# KiCad board AmigaPCI Mainboard.kicad_pcb (continued)
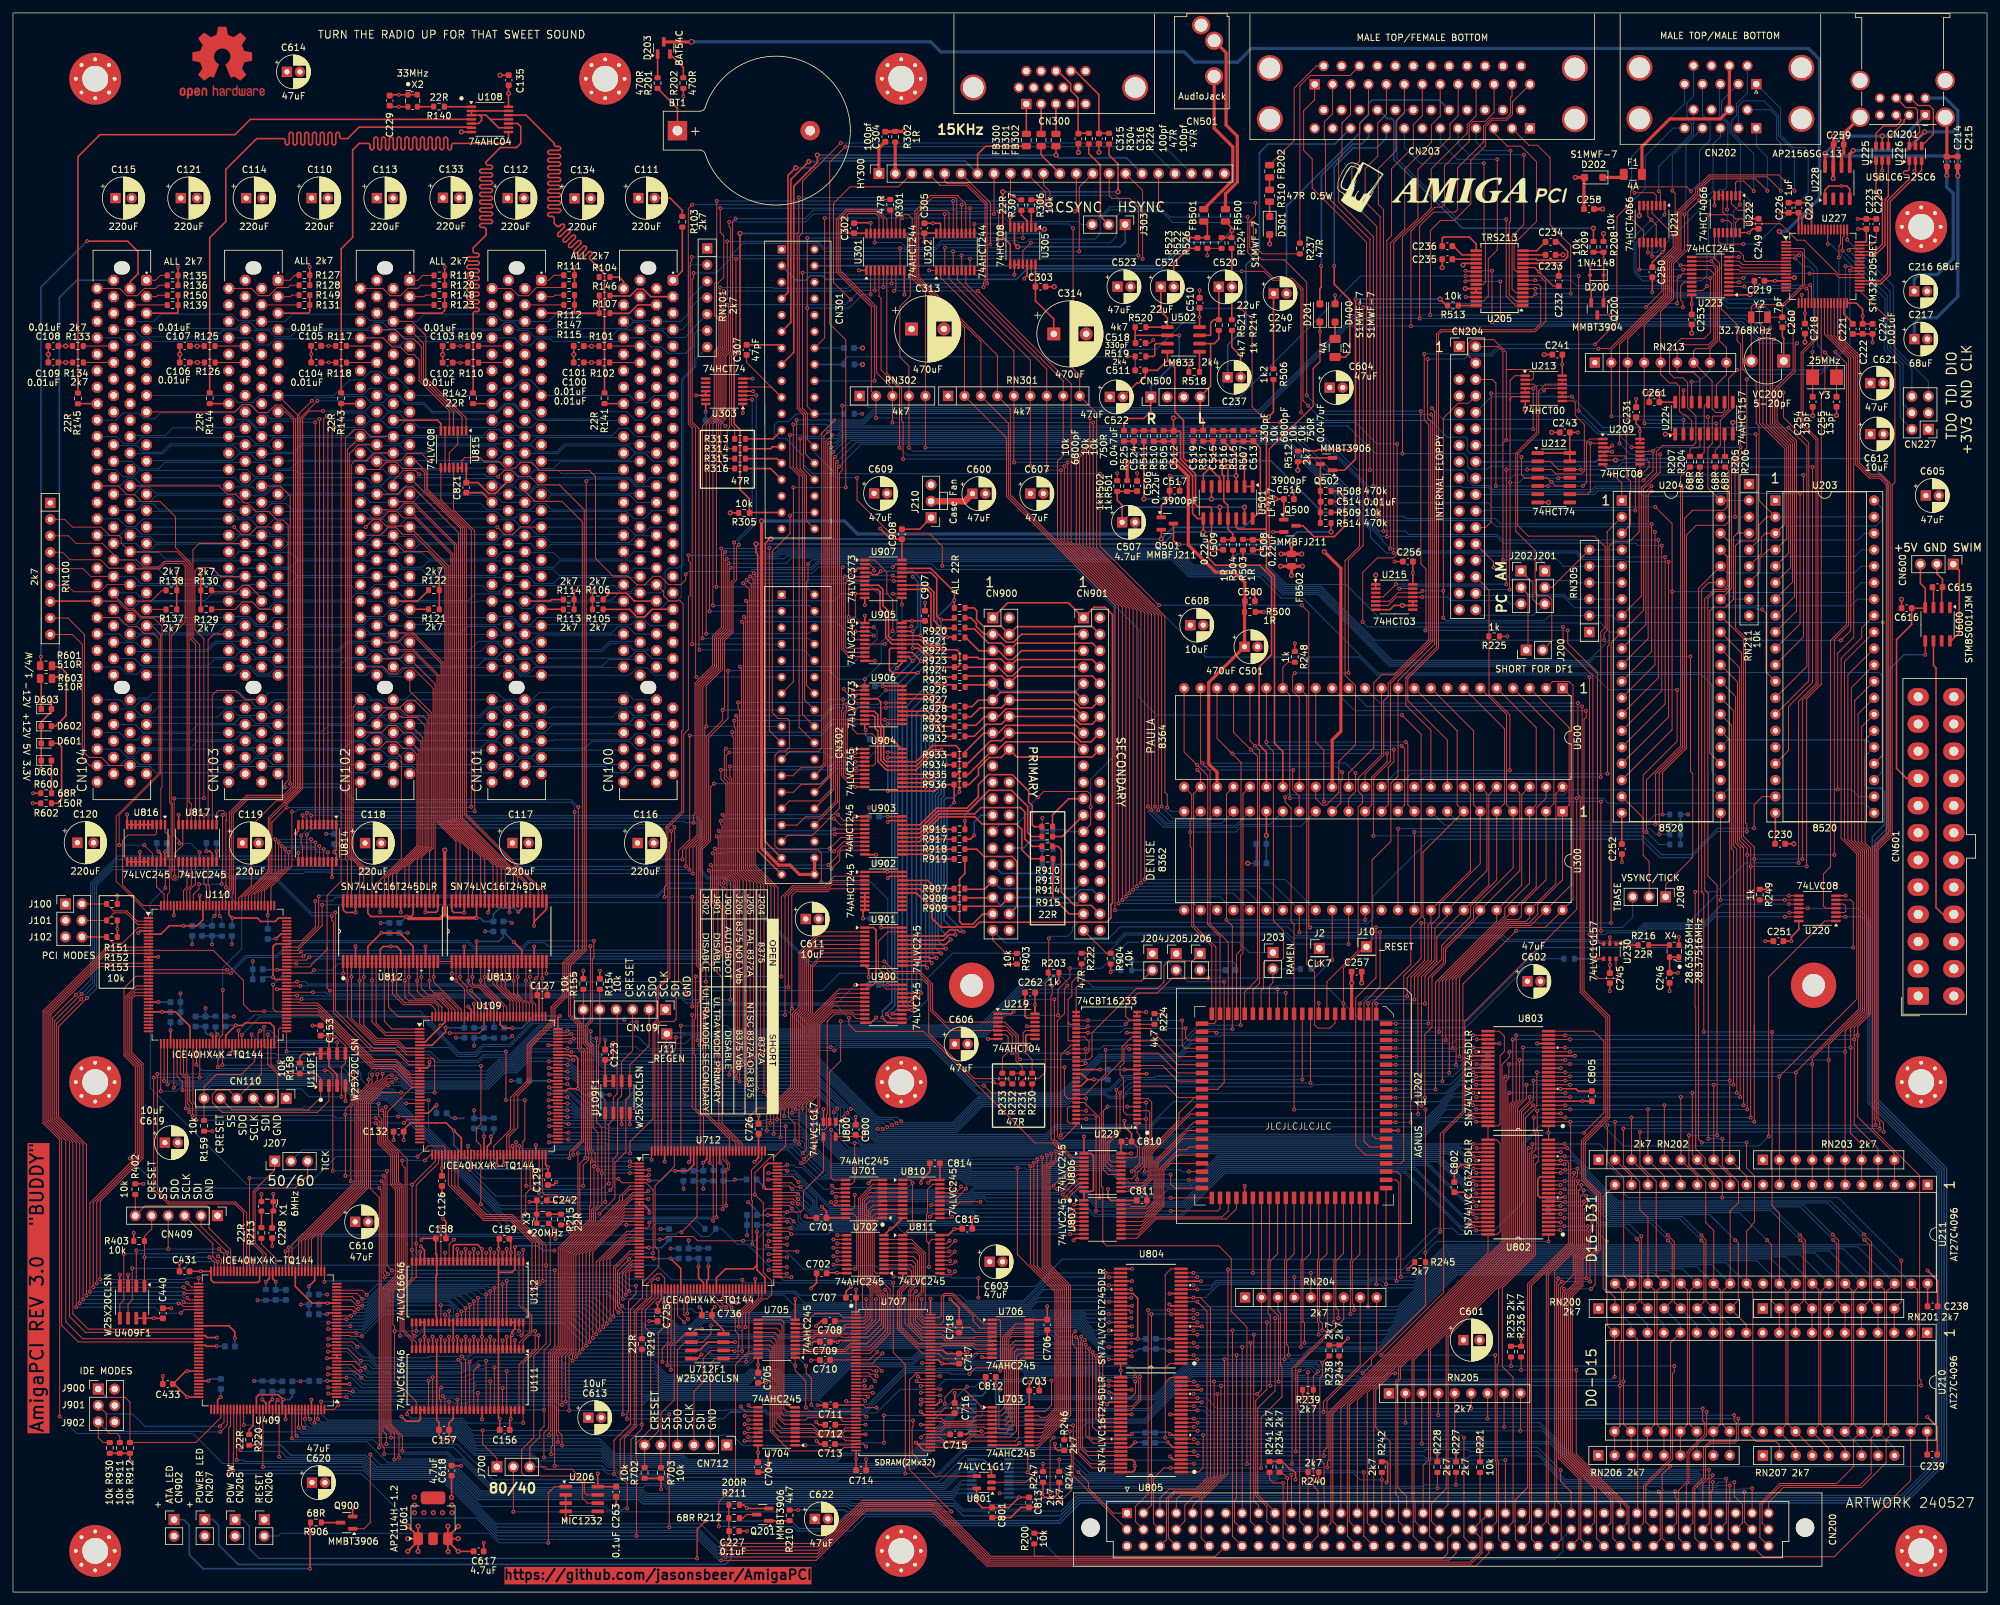
[diagram p0: board, top side]
## Routing (per net, layer and track width the routed paths; a pad name or vN(x,y) marks a point on that pad's centre or on a via; arc(x,y) is an arc through that point) (continued)
LVA29: length 138.3
  Top w0.15: v1(168.26,35.43) 168.26,27.03 168.51,26.79 U805.35 ; v1(66.13,31.58) 65.84,31.29 65.84,29.89 66.07,29.65 U111.36 ; U409.7 v1(51.5,33.11)
  Bottom w0.15: v1(168.26,35.43) 156.61,35.43 155.58,36.46 151.03,36.46 150.35,37.14 148.92,37.14 148.03,36.25 145.73,36.25 144.92,37.06 139.69,37.06 138.83,36.19 129.17,36.19 124.12,31.14 100.02,31.14 99.63,31.53 85.63,31.53 85.12,32.04 71.53,32.04 71.07,31.58 v1(66.13,31.58) 53.82,31.58 52.29,33.11 v1(51.5,33.11)
LVA30: length 140.4
  Top w0.15: U111.33 64.16,32.63 v1(64.16,32.63) ; U409.9 52.78,34.11 v1(53.8,33.09) ; v1(167.21,36.51) 167.21,26.72 168.42,25.52 U805.37
  Bottom w0.15: v1(53.8,33.09) 54.26,32.63 v1(64.16,32.63) 70.51,32.63 70.97,33.09 84.92,33.09 85.43,32.58 99.42,32.58 100.26,31.74 123.87,31.74 130.09,37.96 150.38,37.96 151.28,37.06 155.83,37.06 156.38,36.51 v1(167.21,36.51)
LVA31: length 145.9
  Top w0.15: U111.34 v1(64.8,33.16) ; U805.38 167.32,24.88 166.69,25.52 166.69,37.04 v1(166.69,37.04) ; v1(48.62,34.6) 49.99,34.6
  Bottom w0.15: v1(166.69,37.04) 156.27,37.04 155.95,37.36 151.44,37.36 150.53,38.26 129.97,38.26 123.74,32.04 118.31,32.04 117.45,32.9 114.43,32.9 113.57,32.04 100.39,32.04 99.32,33.1 85.4,33.1 84.88,33.62 70.34,33.62 69.88,33.16 v1(64.8,33.16) 54.62,33.16 54.16,33.62 52.95,33.62 51.97,34.6 v1(48.62,34.6)
LVAD0: length 16.9
  Top w0.15: U812.9 56.07,87.83 57.46,86.44 U109.2
LVAD1: length 15.2
  Top w0.15: U812.11 57.34,88.12 58.52,86.94 U109.1
LVAD2: length 77.8
  Top w0.15: U812.12 57.97,90.33 59.46,88.85 U109.144
  Top w0.25: U111.19 v1(67.34,39.43)
  In3.Cu w0.15: v1(57.97,94.97) 57.97,93.4 66.26,85.11 66.26,70.23 67.31,69.18 67.31,56.88 64.82,54.39 64.82,42.16 67.34,39.64 v1(67.34,39.43)
LVAD3: length 77.2
  Top w0.15: U812.13 v1(58.61,94.41) 58.61,92.37 60.28,90.7 64.51,90.7 65.23,89.98 U109.143
  Top w0.25: U111.17 v1(68.61,39.43)
  In3.Cu w0.15: v1(58.61,94.41) 58.61,93.19 66.56,85.24 66.56,70.36 67.62,69.3 67.62,56.76 65.12,54.26 65.12,42.29 66.41,40.99 67.05,40.99 v1(68.61,39.43)
LVAD4: length 78.1
  Top w0.15: U109.142 65.73,90.39 65.13,91 60.52,91 59.24,92.28 v1(59.24,94.97) 59.25,94.98 U812.14
  Top w0.25: 69.24,37.5 69.24,38.87
  In3.Cu w0.15: v1(69.24,38.87) 69.24,39.54 67.41,41.37 66.46,41.37 65.42,42.41 65.42,54.14 67.91,56.63 67.91,69.43 66.88,70.46 66.88,85.34 59.24,92.98 v1(59.24,94.97)
LVAD5: length 76.6
  Top w0.15: U109.139 67.23,90.06 65.69,91.6 62.1,91.6 61.14,92.56 v1(61.14,94.97) 61.15,94.98 U812.17
  Top w0.25: U111.15 v1(69.88,39.43)
  In3.Cu w0.15: v1(61.14,94.97) 61.14,94.95 69.12,86.97 69.12,85.18 67.49,83.54 67.49,70.7 68.51,69.68 68.51,56.38 67.32,55.19 67.32,47.24 67.97,46.59 67.97,42.52 69.88,40.61 v1(69.88,39.43)
LVAD6: length 60.5
  Top w0.15: 66.23,90.29 66.13,90.39 66.13,90.42 65.25,91.3 61.11,91.3 60.51,91.9 v1(60.51,94.41) 60.51,94.42 U812.16 ; 66.23,90.29 U109.141 ; 66.23,90.29 66.23,90.32 ; v1(66.7,52.41) 66.71,52.4 U112.20
  In3.Cu w0.15: v1(60.51,94.41) 60.51,92.14 67.19,85.46 67.19,70.58 68.22,69.55 68.22,56.51 66.7,54.99 v1(66.7,52.41)
LVAD7: length 59.3
  Top w0.15: U109.138 67.73,89.98 65.82,91.9 63.3,91.9 62.42,92.78 v1(62.42,94.41) U812.19 ; v1(68.09,54.41) 67.34,53.67 U112.19
  In3.Cu w0.15: v1(62.42,94.41) 69.43,87.41 69.43,85.05 68.81,84.44 68.81,56.01 68.08,55.27 68.08,54.42 v1(68.09,54.41)
LVAD8: length 67.1
  Top w0.15: U109.3 57.54,85.94 55.44,88.04 U812.8 ; U112.21 v1(66.07,56.4)
  In3.Cu w0.15: v1(66.07,56.4) 67.01,57.34 67.01,69.05 64.81,71.25 64.81,75.44 65.96,76.58 65.96,83.9 v1(55.44,94.42)
LVAD9: length 58.9
  Top w0.15: U109.137 68.23,89.91 65.94,92.2 64.09,92.2 63.05,93.24 v1(63.05,94.97) 63.06,94.98 63.06,97.37
  Top w0.25: 68.61,51.04 v1(68.61,52.97)
  In3.Cu w0.15: v1(68.61,52.97) 68.61,55.38 69.12,55.88 69.12,84.32 69.72,84.93 69.72,88.27 63.05,94.94 v1(63.05,94.97)
LVAD10: length 57.1
  Top w0.15: U109.136 68.73,90.01 66.24,92.5 65.04,92.5 64.32,93.22 v1(64.32,94.41) 64.32,94.42 U812.22
  Top w0.25: 69.24,51.04 69.24,52.4
  In3.Cu w0.15: v1(64.32,94.41) 64.32,94.24 70.03,88.53 70.03,84.8 69.41,84.19 69.41,53.93 69.24,53.75 v1(69.24,52.41)
LVAD11: length 56.8
  Top w0.15: U812.23 v1(64.96,94.97) 64.96,94.2 69.23,89.93 U109.135
  Top w0.25: 69.88,51.04 v1(69.88,52.97)
  In3.Cu w0.15: v1(64.96,94.97) 64.96,94.02 70.32,88.66 70.32,84.68 69.72,84.07 69.72,55.31 69.88,55.14 v1(69.88,52.97)
LVAD12: length 53.9
  Top w0.15: U109.134 69.73,93.08 v1(68.4,94.41) 68.4,94.42 U813.2
  Top w0.25: 70.5,51.04 70.5,52.4
  In3.Cu w0.15: v1(68.4,94.41) 68.74,94.07 68.74,90.67 70.62,88.78 70.62,70.75 71.23,70.14 71.23,55.69 70.51,54.97 v1(70.51,52.41)
LVAD13: length 55
  Top w0.15: U813.3 69.04,94.99 v1(69.04,94.98) 69.04,94.55 70.11,93.48 70.11,92.69 71.73,91.07 U109.130
  Top w0.25: 71.15,51.04 v1(71.15,52.97)
  In3.Cu w0.15: v1(69.04,94.98) 69.04,90.79 71.8,88.03 71.8,83.61 71.74,83.54 71.74,74.78 71.78,74.73 71.78,73.82 71.53,73.56 71.53,54.94 71.16,54.57 71.16,52.98 v1(71.15,52.97)
LVAD14: length 58.3
  Top w0.15: U813.5 70.31,94.42 v1(70.31,94.41) 70.31,93.98 70.9,93.39 71.94,93.39 74.23,91.1 U109.125 ; U112.12 71.78,52.37 v1(71.79,52.37)
  In3.Cu w0.15: v1(71.79,52.37) 71.81,52.39 71.81,54.47 72.76,55.42 72.76,64.1 71.83,65.03 71.83,70.72 72.99,71.88 72.99,86.09 74.65,87.75 74.65,90.83 73.96,91.51 73.95,91.51 72.89,92.58 72.15,92.58 v1(70.31,94.41)
LVAD15: length 57.8
  Top w0.15: 73.06,51.05 73.06,52.38 v1(73.06,52.38) ; U813.6 70.94,94.99 v1(70.94,94.98) 70.94,93.95 71.2,93.69 72.06,93.69 74.73,91.02 U109.124
  In3.Cu w0.15: v1(73.06,52.38) 73.06,64.22 72.13,65.15 72.13,70.59 73.29,71.75 73.29,85.97 74.95,87.63 74.95,90.95 73.71,92.19 73.69,92.19 72.79,93.1 72.78,93.1 70.94,94.94 v1(70.94,94.98)
LVAD16: length 55.9
  Top w0.15: U109.122 75.73,90.45 72.21,93.97 v1(72.21,94.41) 72.21,94.42 U813.8
  Top w0.25: 73.69,51.04 v1(73.69,52.97)
  In3.Cu w0.15: v1(73.69,52.97) 73.7,52.98 73.7,64.38 72.91,65.17 72.91,66.83 74.38,68.3 74.38,86.63 75.25,87.5 75.25,91.34 72.21,94.38 v1(72.21,94.41)
LVAD17: length 58.2
  Top w0.15: U109.121 76.23,90.37 72.84,93.76 v1(72.84,94.98) 72.85,94.99 U813.9
  Top w0.25: 74.31,51.04 74.31,52.4
  In3.Cu w0.15: v1(72.84,94.98) 72.84,94.17 77.75,89.26 77.75,77.65 77,76.9 77,70.5 73.21,66.7 73.21,65.3 74.32,64.18 v1(74.32,52.41)
LVAD18: length 56.2
  Top w0.15: U813.11 74.12,94.99 v1(74.11,94.98) 74.12,94.98 74.12,93.92 76.73,91.31 U109.120
  Top w0.25: 75.59,51.04 75.59,52.4
  In3.Cu w0.15: v1(74.11,94.98) 74.11,93.33 78.06,89.38 78.06,77.53 77.31,76.78 77.31,70.26 76.31,69.26 76.31,55.44 75.59,54.72 v1(75.59,52.41)
LVAD19: length 55.3
  Top w0.15: U813.12 74.75,94.42 v1(74.75,94.41) 74.75,93.71 77.23,91.23 U109.119
  Top w0.25: 76.23,51.04 v1(76.23,52.97)
  In3.Cu w0.15: v1(74.75,94.41) 74.75,93.11 78.35,89.51 78.35,77.4 77.6,76.65 77.6,70.14 76.6,69.14 76.6,54.14 76.23,53.77 v1(76.23,52.97)
LVAD20: length 74.4
  Top w0.15: U813.13 75.39,94.99 v1(75.38,94.98) 75.38,93.52 76.99,91.9 76.99,91.9 77.73,91.16 U109.118
  Top w0.25: 70.5,37.5 70.5,38.87
  In3.Cu w0.15: v1(75.38,94.98) 75.38,92.91 78.66,89.63 78.66,77.28 77.91,76.53 77.91,75.19 78.66,74.44 78.66,69.83 78.73,69.76 78.73,67.03 77.09,65.39 77.09,55.28 79.47,52.91 79.47,50.12 70.51,41.16 v1(70.51,38.87)
LVAD21: length 73.5
  Top w0.15: U109.117 78.23,91.08 77.68,91.63 77.68,91.64 76.01,93.32 v1(76.01,94.41) 76.02,94.43 U813.14
  Top w0.25: U111.13 v1(71.15,39.43)
  In3.Cu w0.15: v1(71.15,39.43) 71.15,41.38 79.77,49.99 79.77,53.03 77.39,55.41 77.39,65.27 79.03,66.91 79.03,69.88 78.96,69.96 78.96,74.57 78.21,75.32 78.21,76.4 78.96,77.15 78.96,89.76 76.01,92.71 v1(76.01,94.41)
LVAD22: length 72.7
  Top w0.15: 77.4,92.34 78.31,91.43 78.31,91.42 78.73,91.01 U109.116 ; 77.4,92.34 77.29,92.45 v1(77.29,94.41) 77.29,94.42 U813.16 ; 77.4,92.34 77.29,92.45
  Top w0.25: 71.78,37.5 71.78,38.87
  In3.Cu w0.15: v1(77.29,94.41) 77.29,91.84 79.25,89.88 79.25,77.03 78.5,76.28 78.5,75.44 79.25,74.69 79.25,70.08 79.33,70.01 79.33,66.78 77.69,65.14 77.69,55.53 80.07,53.15 80.07,49.87 71.78,41.58 v1(71.78,38.87)
LVAD23: length 72.2
  Top w0.15: U109.115 79.23,90.93 78.87,91.29 78.87,91.3 78.12,92.04 ; U813.17 77.93,94.99 v1(77.93,94.98) 77.93,92.24 78.12,92.04 ; 78.12,92.04 77.93,92.24
  Top w0.25: 73.04,37.5 73.04,38.87
  In3.Cu w0.15: v1(73.05,38.87) 73.05,42.43 80.37,49.74 80.37,53.28 77.99,55.66 77.99,65.02 79.63,66.66 79.63,70.13 79.56,70.21 79.56,90 77.93,91.63 v1(77.93,94.98)
LVAD24: length 70.5
  Top w0.15: U109.114 79.73,90.86 79.19,91.4 v1(79.19,94.41) 79.2,94.42 U813.19
  Top w0.25: 73.69,37.5 v1(73.69,39.43)
  In3.Cu w0.15: v1(73.69,39.43) 73.69,42.29 80.67,49.27 80.67,53.4 78.29,55.78 78.29,64.89 79.93,66.53 79.93,70.25 79.85,70.33 79.85,90.15 79.19,90.81 v1(79.19,94.41)
LVAD25: length 71.6
  Top w0.15: U813.20 79.83,94.99 v1(79.83,94.98) 79.83,91.18 80.23,90.78 U109.113
  Top w0.25: 74.31,37.5 74.31,38.86
  In3.Cu w0.15: v1(79.83,94.98) 79.83,90.59 80.16,90.27 80.16,70.45 81.31,69.3 81.31,67.48 78.59,64.77 78.59,55.9 80.97,53.53 80.97,49.14 74.32,42.5 v1(74.32,38.87)
LVAD26: length 70.8
  Top w0.15: U109.112 80.73,90.7 80.13,91.3 80.13,94.13 v1(80.78,94.77) 81.1,95.1 U813.22
  Top w0.25: 75.59,37.5 75.59,38.86
  In3.Cu w0.15: v1(75.59,38.87) 75.59,43.34 81.27,49.02 81.27,53.65 80.49,54.43 80.49,60.33 79.77,61.05 79.77,65.52 81.6,67.36 81.6,69.43 80.46,70.58 80.46,90.75 80.38,90.82 80.38,94.38 v1(80.78,94.77)
LVAD27: length 71.6
  Top w0.15: U813.23 81.74,94.78 v1(81.73,94.77) ; U109.110 81.73,97.37
  Top w0.25: 76.23,37.5 v1(76.23,39.43)
  In3.Cu w0.15: v1(81.73,94.77) 81.73,92.89 80.75,91.92 80.75,70.7 81.91,69.55 81.91,67.24 81.75,67.08 81.75,49.07 76.23,43.56 v1(76.23,39.43)
LVAD28: length 82.5
  Top w0.15: U812.6 54.16,87.54 56.27,85.44 U109.4
  Top w0.25: 66.69,37.5 66.69,38.87
  In3.Cu w0.15: v1(54.17,94.98) 54.17,94.95 63.01,86.11 63.04,86.11 63.04,71.75 65.04,69.75 65.04,55.04 64.52,54.51 64.52,42.04 66.7,39.86 v1(66.7,38.87)
LVAD29: length 83
  Top w0.15: U812.5 53.53,87.76 56.15,85.14 59.47,85.14 60.67,83.94 U109.7
  Top w0.25: U111.21 v1(66.07,39.43)
  In3.Cu w0.15: v1(53.53,94.42) 62.75,85.2 62.75,71.63 64.75,69.63 64.75,55.16 64.22,54.64 64.22,41.91 66.07,40.06 v1(66.07,39.43)
LVAD30: length 85.1
  Top w0.15: U109.9 60.82,82.94 59.22,84.54 55.9,84.54 51.62,88.81 U812.2
  Top w0.25: 64.16,37.5 64.16,38.87
  In3.Cu w0.15: v1(51.6,94.42) 52.24,94.42 62.15,84.51 62.15,71.38 64.15,69.38 64.15,55.41 63.62,54.88 63.62,41.66 64.17,41.11 64.17,38.88 v1(64.16,38.87)
LVAD31: length 84.6
  Top w0.15: U109.8 60.75,83.44 59.35,84.84 56.02,84.84 52.26,88.6 U812.3
  Top w0.25: U111.23 v1(64.8,39.43)
  In3.Cu w0.15: v1(52.26,94.98) 52.26,94.95 62.44,84.76 62.44,71.5 64.44,69.5 64.44,55.28 63.92,54.76 63.92,41.79 64.8,40.91 v1(64.8,39.43)
LVC1: length 115.1
  Top w0.15: v1(44.5,116.82) 44.5,115.51 44.72,115.28 U814.12 ; U712.142 99.62,87.69 100.02,88.09 102.03,88.09 102.4,88.46 102.4,91.7 102.18,91.92 102.18,118.08 v1(102.13,118.13)
  Bottom w0.15: v1(44.5,116.82) 44.5,116.83 46.17,118.5 101.75,118.5 v1(102.13,118.13)
LVC3: length 111.5
  Top w0.15: v1(101.65,117.53) 101.65,115.91 101.43,115.69 101.43,94.9 99.63,93.11 99.63,88.13 99.12,87.61 U712.143 ; v1(45.38,116.97) 45.38,116.96 U814.13
  Bottom w0.15: v1(45.38,116.97) 46.39,117.98 101.2,117.98 v1(101.65,117.53)
LVCLK7: length 101.4
  Top w0.15: U712.93 v1(119.56,58.7) 121.65,58.7 122.05,59.1 122.05,61.9 125.14,64.99 U800.4 ; v1(99.89,54.42) 100.45,54.42 100.93,54.9 105.05,54.9 105.71,54.24 v1(112.74,54.24) ; v1(42.06,52.62) 42.09,52.59 U409.49
  Bottom w0.15: v1(42.06,52.62) 42.92,52.62 45.24,54.94 75.78,54.94 76.12,54.6 80.54,54.6 81.49,53.65 94.92,53.65 95.68,54.42 v1(99.89,54.42) ; v1(119.56,58.7) 116.63,55.77 116.1,55.77 114.57,54.24 v1(112.74,54.24)
LVD0: length 247.8
  Top w0.15: 227.75,55.84 225.93,55.84 ; U704.11 113.88,28.51 v1(113.57,28.82) ; U900.9 130.2,88.56 129.5,89.26 126.86,89.26 125.72,88.12 125.72,73.89 125.62,73.78 125.62,71.7 125.32,71.41 124.18,71.41 123.87,71.1 123.87,67.86 122.24,66.23 v1(121.71,66.23) ; U109.62 77.23,68.47 77.13,68.57 v1(77.13,68.88)
  In2.Cu w0.15: v1(121.71,66.23) 121.71,64.48 108.5,51.27 105.73,51.27 103.12,48.67 103.12,38.71 113.01,28.82 v1(113.57,28.82)
  Bottom w0.15: v1(77.13,68.88) 77.13,68.76 78.05,67.83 83.31,67.83 83.76,68.28 119.65,68.28 v1(121.71,66.23) 124.17,63.76 146.32,63.76 147.24,62.85 159.46,62.85 159.91,63.3 161.61,63.3 166.89,58.02 180.49,58.02 187.15,64.69 214.93,64.69 223.77,55.84 v1(225.93,55.84)
LVD1: length 249.2
  Top w0.15: U704.12 113.07,27.87 112.39,28.54 v1(112.39,28.66) ; 77.68,67.58 v1(77.68,69.47) ; v1(122.12,66.85) 123.57,68.3 123.57,74.32 124.27,75.02 124.27,87.7 126.43,89.86 U900.7 ; 227.75,56.48 225.46,56.48
  In2.Cu w0.15: v1(122.12,66.85) 121.59,66.85 120.98,66.25 120.98,64.18 108.38,51.57 105.61,51.57 102.82,48.79 102.82,38.11 112.27,28.66 v1(112.39,28.66)
  Bottom w0.15: v1(225.46,56.48) 223.56,56.48 215.05,64.99 187.03,64.99 180.36,58.32 167.01,58.32 161.74,63.6 159.79,63.6 159.34,63.15 147.36,63.15 146.44,64.06 124.91,64.06 v1(122.12,66.85) 120.39,68.58 83.64,68.58 83.19,68.13 78.18,68.13 77.68,68.63 v1(77.68,69.47)
LVD2: length 247.8
  Top w0.15: U900.5 126.88,91.16 123.67,87.95 123.67,76.53 122.49,75.34 122.49,68.32 v1(121.94,67.77) ; 227.75,57.75 225.94,57.75 ; U109.64 78.23,68.82 v1(78.21,68.85) ; U704.13 112.99,27.21 v1(112.98,27.21)
  In2.Cu w0.15: v1(112.98,27.21) 102.53,37.66 102.53,48.92 105.51,51.9 108.28,51.9 120.68,64.3 120.68,66.37 121.94,67.63 v1(121.94,67.77)
  Bottom w0.15: v1(225.94,57.75) 223.91,57.75 216.38,65.29 186.9,65.29 181.06,59.44 167.17,59.44 162.72,63.9 159.66,63.9 159.21,63.45 147.48,63.45 146.57,64.37 125.35,64.37 v1(121.94,67.77) 120.83,68.88 83.51,68.88 83.06,68.44 78.62,68.44 v1(78.21,68.85)
LVD3: length 246.2
  Top w0.15: v1(121.38,69.19) 121.38,75.09 123.07,76.78 123.07,88.2 127.33,92.46 U900.3 ; 227.75,58.38 225.45,58.38 ; v1(113.54,26.57) 113.54,26.56 U704.14 ; U109.73 v1(82.76,69.44)
  In2.Cu w0.15: v1(121.38,69.19) 121.38,67.49 120.38,66.49 120.38,64.43 108.15,52.2 105.38,52.2 102.22,49.04 102.22,37.22 112.88,26.57 v1(113.54,26.57)
  Bottom w0.15: 120.03,69.19 v1(121.38,69.19) 121.38,69.08 125.79,64.66 146.69,64.66 147.61,63.75 159.09,63.75 159.54,64.2 162.84,64.2 167.3,59.75 180.93,59.75 186.78,65.59 216.5,65.59 223.7,58.39 v1(225.45,58.39) ; 120.03,69.19 91.68,69.19 91.5,69.37 82.84,69.37 v1(82.76,69.44) ; 120.03,69.19 121.27,69.19
LVD4: length 251
  Top w0.15: 227.75,59.65 225.94,59.65 ; v1(120.74,69.71) 120.74,72.34 119.74,73.34 119.74,74.72 122.17,77.15 122.17,88.57 123.16,89.56 123.16,96.63 124.58,98.05 U901.8 ; U109.74 85.7,69.94 v1(85.75,69.89) ; U704.15 112.99,25.91 v1(112.98,25.92)
  In2.Cu w0.15: v1(120.74,69.71) 120.74,67.28 120.08,66.62 120.08,64.55 108.03,52.5 105.26,52.5 101.93,49.16 101.93,36.97 v1(112.98,25.92)
  Bottom w0.15: v1(85.75,69.89) 91.99,69.89 92.17,69.71 v1(120.74,69.71) 121.82,69.71 122.22,69.31 122.22,68.66 125.92,64.96 146.82,64.96 147.73,64.05 158.96,64.05 159.41,64.5 162.97,64.5 167.42,60.05 180.81,60.05 186.65,65.89 218.39,65.89 224.62,59.65 v1(225.94,59.65)
LVD5: length 255.8
  Top w0.15: v1(113.54,25.26) 113.54,25.26 U704.16 ; U109.75 v1(82.79,70.44) ; v1(118.52,70.24) 118.51,70.24 118.51,74.34 121.57,77.4 121.57,88.82 122.56,89.81 122.56,98.27 123.64,99.35 U901.6 ; 227.75,60.29 225.44,60.29
  In2.Cu w0.15: v1(113.54,25.26) 112.9,25.26 101.62,36.53 101.62,49.29 105.14,52.8 107.9,52.8 118.52,63.42 v1(118.52,70.24)
  Bottom w0.15: v1(225.44,60.29) 224.41,60.29 218.51,66.19 186.53,66.19 180.68,60.34 167.55,60.34 163.09,64.8 159.29,64.8 158.84,64.35 147.86,64.35 146.94,65.26 126.04,65.26 122.53,68.78 122.53,69.7 122,70.24 v1(118.52,70.24) 92.23,70.24 92.05,70.41 82.81,70.41 v1(82.79,70.44)
LVD6: length 254.9
  Top w0.15: 115.05,24.62 112.97,24.62 v1(112.97,24.61) ; 227.75,61.56 225.94,61.56 ; v1(117.47,70.76) 117.47,70.76 117.47,74.14 120.97,77.65 120.97,89.07 121.96,90.06 121.96,98.52 124.09,100.65 U901.4 ; U109.76 v1(85.75,70.94)
  In2.Cu w0.15: v1(112.97,24.61) 101.32,36.25 101.32,49.41 105.01,53.1 107.78,53.1 118.22,63.54 118.22,68.92 117.47,69.67 v1(117.47,70.76)
  Bottom w0.15: v1(85.75,70.94) 92.08,70.94 92.26,70.76 v1(117.47,70.76) 121.89,70.76 122.82,69.83 122.82,68.91 126.17,65.56 147.07,65.56 147.98,64.65 158.71,64.65 159.16,65.1 169.23,65.1 173.16,61.17 177.29,61.17 178.34,62.22 182.14,62.22 186.41,66.49 219.96,66.49 224.88,61.56 v1(225.94,61.56)
LVD7: length 259.5
  Top w0.15: U901.2 124.55,101.95 121.36,98.76 121.36,90.36 120.37,89.37 120.37,77.9 116.39,73.92 v1(116.39,71.28) ; U109.78 v1(82.79,71.94) ; v1(113.54,23.96) 113.54,23.96 U704.18 ; 227.75,62.19 225.45,62.19
  In2.Cu w0.15: v1(116.39,71.28) 116.39,70.33 117.92,68.8 117.92,63.66 107.66,53.4 104.89,53.4 101.03,49.54 101.03,35.81 112.88,23.96 v1(113.54,23.96)
  Bottom w0.15: v1(82.79,71.94) 85,71.94 85.17,71.76 91.55,71.76 92.03,71.28 v1(116.39,71.28) 121.79,71.28 123.12,69.95 123.12,69.03 126.29,65.87 147.19,65.87 148.1,64.95 158.59,64.95 159.04,65.4 169.35,65.4 172.23,62.52 182.01,62.52 186.28,66.79 220.08,66.79 224.68,62.19 v1(225.45,62.19)
LVD8: length 236
  Top w0.15: v1(155.08,65.47) 155.08,52.14 160.88,46.34 160.88,28.29 159.57,26.98 158.63,26.98 158.39,27.21 U703.18 ; U109.79 85.21,72.44 85.36,72.29 v1(85.75,72.29) ; 227.75,62.83 225.92,62.83 ; v1(116.94,72.44) 116.94,74.04 120.67,77.77 120.67,89.19 121.66,90.18 121.66,98.64 124.32,101.3 U901.3
  Bottom w0.15: v1(225.92,62.83) 224.46,62.83 220.21,67.09 186.16,67.09 181.89,62.82 172.36,62.82 169.48,65.7 158.92,65.7 158.47,65.25 156.54,65.25 156.31,65.47 v1(155.08,65.47) 148,65.47 147.31,66.16 126.41,66.16 123.43,69.15 123.43,70.08 121.07,72.44 v1(116.94,72.44) 97.47,72.44 96.66,71.62 92.34,71.62 91.68,72.29 v1(85.75,72.29)
LVD9: length 235.4
  Top w0.15: v1(157.09,65.77) 157.09,50.55 161.18,46.46 161.18,28.17 159.58,26.56 U703.17 ; U109.80 v1(82.79,72.94) ; v1(117.99,72.96) 117.99,74.24 121.27,77.52 121.27,88.94 122.26,89.93 122.26,98.39 123.87,100 U901.5 ; 227.75,63.46 225.47,63.46
  Bottom w0.15: v1(82.79,72.94) 84.88,72.94 85.01,72.81 116.15,72.81 116.29,72.96 v1(117.99,72.96) 121.47,72.96 127.96,66.46 147.44,66.46 147.9,66 156.87,66 v1(157.09,65.77) 158.57,65.77 158.79,66 169.6,66 172.48,63.12 181.76,63.12 186.03,67.39 220.33,67.39 224.26,63.46 v1(225.47,63.46)
LVD10: length 229.9
  Top w0.15: v1(119.08,73.49) 119.08,74.48 121.87,77.28 121.87,88.69 122.86,89.68 122.86,97.77 123.79,98.7 U901.7 ; 227.75,64.74 225.94,64.74 ; v1(85.63,73.34) 85.31,73.34 85.21,73.44 U109.81 ; U703.16 159.35,25.91 161.48,28.04 161.48,46.59 157.62,50.45 v1(157.62,66.3)
  Bottom w0.15: v1(225.94,64.73) 224.6,64.73 221.65,67.69 180.31,67.69 178.27,65.65 171.57,65.65 170.92,66.3 v1(157.62,66.3) 157.62,66.3 148.03,66.3 147.56,66.76 128.09,66.76 121.37,73.49 v1(119.08,73.49) 118.41,74.16 113.35,74.16 112.68,73.49 95.38,73.49 95.1,73.21 86.69,73.21 86.56,73.34 v1(85.63,73.34)
LVD11: length 231
  Top w0.15: U703.15 159.13,25.26 161.78,27.92 161.78,46.71 158.16,50.33 v1(158.16,66.84) ; 227.75,65.37 225.49,65.37 ; v1(120.28,74.01) 120.28,74.84 122.47,77.03 122.47,88.45 123.46,89.43 123.46,96.51 124.35,97.4 U901.9 ; U109.82 v1(82.79,73.94)
  Bottom w0.15: v1(82.79,73.94) 84.96,73.94 85.03,73.87 86.46,73.87 86.82,73.51 94.98,73.51 95.48,74.01 112.78,74.01 113.23,74.46 119.19,74.46 119.64,74.01 v1(120.28,74.01) 121.27,74.01 128.21,67.06 147.69,67.06 147.94,66.81 147.97,66.84 v1(158.16,66.84) 158.4,66.6 171.05,66.6 171.69,65.95 178.15,65.95 180.18,67.99 221.77,67.99 224.39,65.37 v1(225.49,65.37)
LVD12: length 222.1
  Top w0.15: v1(120.84,74.53) 120.84,74.97 122.77,76.9 122.77,88.32 127.56,93.11 U900.2 ; v1(85.63,74.39) 85.58,74.44 U109.83 ; v1(158.91,67.13) 158.91,50.01 162.08,46.84 162.08,27.79 158.9,24.62 156.91,24.62 ; 227.75,66.64 225.94,66.64
  Bottom w0.15: 158.67,67.37 159.13,66.9 171.17,66.9 171.82,66.25 178.02,66.25 180.06,68.29 222.98,68.29 224.63,66.64 v1(225.94,66.64) ; 158.67,67.37 128.34,67.37 121.17,74.53 v1(120.84,74.53) 120.62,74.76 112.81,74.76 112.59,74.53 95.58,74.53 94.85,73.81 86.94,73.81 86.36,74.39 v1(85.63,74.39) ; 158.67,67.37 v1(158.91,67.13)
LVD13: length 224.2
  Top w0.15: U900.4 127.11,91.81 123.37,88.07 123.37,76.65 121.91,75.19 v1(121.91,74.68) ; U703.13 158.68,23.96 162.38,27.67 162.38,46.96 159.21,50.13 159.21,65.86 159.63,66.28 v1(159.63,67.43) ; U109.84 v1(82.79,74.94) ; 227.75,67.27 225.48,67.27
  Bottom w0.15: v1(225.48,67.28) 224.41,67.28 223.11,68.59 179.93,68.59 177.9,66.56 171.94,66.56 171.29,67.2 159.85,67.2 v1(159.63,67.43) 159.39,67.66 128.46,67.66 121.91,74.22 v1(121.91,74.68) 121.53,75.06 95.68,75.06 94.73,74.11 87.07,74.11 86.26,74.91 82.81,74.91 v1(82.79,74.94)
LVD14: length 221.3
  Top w0.15: U703.12 158.45,23.31 162.68,27.54 162.68,47.09 159.51,50.26 159.51,65.74 160.31,66.54 v1(160.31,67.74) ; U900.6 126.66,90.51 123.97,87.82 123.97,76.41 123.01,75.44 v1(123.01,74.32) ; 227.75,68.55 226.01,68.55 ; U109.85 v1(85.62,75.44)
  Bottom w0.15: v1(85.62,75.44) 86.16,75.44 87.19,74.41 94.6,74.41 95.55,75.36 121.97,75.36 v1(123.01,74.32) 123.01,73.54 128.58,67.96 160.09,67.96 v1(160.31,67.74) 160.55,67.5 171.42,67.5 172.07,66.85 177.78,66.85 179.81,68.89 223.23,68.89 223.58,68.54 v1(226.01,68.54)
LVD15: length 221.9
  Top w0.15: U109.87 85.59,76.44 v1(85.61,76.41) ; v1(161.02,68.03) 161.02,66.83 159.81,65.61 159.81,50.38 162.98,47.21 162.98,27.42 158.22,22.66 U703.11 ; 227.75,69.18 225.46,69.18 ; v1(124.09,73.98) 124.09,74.42 124.57,74.9 124.57,87.58 126.56,89.56 129.62,89.56 129.97,89.21 U900.8
  Bottom w0.15: v1(85.61,76.41) 87.31,74.71 94.48,74.71 95.43,75.66 122.41,75.66 v1(124.09,73.98) 124.09,72.88 128.71,68.26 160.79,68.26 v1(161.02,68.03) 171.32,68.03 172.19,67.15 177.65,67.15 179.69,69.19 225.45,69.19 v1(225.46,69.18)
LVD16: length 286.4
  Top w0.15: v1(128.15,158.27) 127.91,158.03 127.91,145.63 129.1,144.44 U905.9 ; v1(117.06,76.19) 117.06,82.78 118.13,83.85 118.13,108.75 114.59,112.29 114.59,157.14 v1(114.37,157.37) ; v1(135.85,158.27) 136.3,158.72 U907.19 ; U803.47 225.93,72.63 v1(225.93,72.63) ; U701.11 126.68,63.62 126.3,64 v1(126.3,71.41) ; U109.88 v1(82.78,76.94)
  Bottom w0.15: v1(114.37,157.37) 123.43,157.37 124.34,158.27 v1(128.15,158.27) v1(135.85,158.27) ; v1(82.78,76.94) 85.87,76.94 87.8,75.01 94.35,75.01 95.52,76.19 122.63,76.19 124.73,74.08 124.73,72.98 v1(126.3,71.41) 129.15,68.56 178.64,68.56 179.56,69.49 217.07,69.49 220.21,72.63 225.93,72.63 v1(225.93,72.63)
LVD17: length 281
  Top w0.15: U109.90 v1(82.79,77.94) ; U905.7 128.74,145.74 128.51,145.97 128.51,155.83 v1(128.99,156.31) ; U803.46 225.46,73.27 v1(225.46,73.27) ; v1(129.97,69.33) 129.97,63.46 129.49,62.97 U701.12 ; v1(113.29,156.3) 113.99,155.6 113.99,112.04 117.03,109 117.03,83.31 116.51,82.79 v1(116.51,76.71) ; v1(135.99,156.12) U907.15
  Bottom w0.15: v1(113.29,156.3) 113.29,156.31 v1(128.99,156.31) 135.81,156.31 v1(135.99,156.12) ; v1(225.46,73.27) 220.43,73.27 216.95,69.79 179.44,69.79 178.51,68.87 131,68.87 130.53,69.33 v1(129.97,69.33) 129.39,69.33 126.21,72.52 126.21,74.86 124.36,76.71 v1(116.51,76.71) 95.62,76.71 94.25,75.34 87.9,75.34 86,77.24 83.49,77.24 v1(82.79,77.94)
LVD18: length 272.2
  Top w0.15: v1(113.17,153.06) 113.39,152.84 113.39,111.79 115.95,109.23 v1(115.95,77.25) ; U109.91 v1(85.62,78.44) ; U905.5 130.09,147.04 129.54,147.6 129.54,150.01 130.06,150.54 v1(130.06,154.17) 130.06,154.17 U907.9 ; v1(225.94,74.54) 225.94,74.54 U803.44 ; U701.13 126.88,62.32 v1(126.47,62.74)
  In2.Cu w0.15: v1(126.74,74.1) 126.74,72.95 127.88,71.81 127.88,63.1 127.87,63.1 127.48,62.71 126.5,62.71 v1(126.47,62.74)
  Bottom w0.15: v1(85.62,78.44) 88.42,75.64 94.13,75.64 95.74,77.25 v1(115.95,77.25) 124.24,77.25 126.74,74.76 v1(126.74,74.1) 126.74,72.92 128.36,71.3 128.99,71.3 131.13,69.16 178.39,69.16 179.31,70.09 216.83,70.09 221.28,74.54 v1(225.94,74.54) ; v1(113.17,153.06) 126.79,153.06 127.9,154.17 v1(130.06,154.17)
LVD19: length 272.7
  Top w0.15: U109.93 85.22,79.44 85.34,79.31 v1(85.64,79.31) ; U905.3 130.06,148.34 v1(130.06,148.34) ; U803.43 225.46,75.17 v1(225.45,75.18) ; U701.14 126.49,61.68 v1(126.47,61.69) ; U907.5 129.91,156.77 v1(129.2,157.48) ; v1(114.89,77.77) 114.89,109.44 112.79,111.54 112.79,149.61 v1(112.57,149.84)
  In2.Cu w0.15: v1(130.06,148.34) 130.06,150.29 129.51,150.83 129.51,157.16 v1(129.2,157.48) ; v1(127.26,74.65) 127.26,72.85 128.18,71.94 128.18,62.28 127.58,61.69 v1(126.47,61.69)
  Bottom w0.15: v1(130.06,148.34) 128.56,148.34 127.06,149.84 v1(112.57,149.84) ; v1(85.64,79.31) 86.42,79.31 87.96,77.77 v1(114.89,77.77) 124.14,77.77 v1(127.26,74.65) 127.26,72.82 128.43,71.66 130.95,71.66 133.14,69.46 178.26,69.46 179.19,70.39 216.71,70.39 221.49,75.18 v1(225.45,75.18)
LVD20: length 267.4
  Top w0.15: v1(111.67,135.33) 111.89,135.1 111.89,111.17 113.27,109.79 v1(113.27,78.3) ; v1(127.06,61.03) 127.06,61.02 U701.15 ; v1(128.7,137.07) 128.7,136.24 128.21,135.75 128.21,126.19 128.78,125.63 U904.8 ; v1(225.94,76.44) 225.94,76.44 U803.41 ; v1(134.78,137.3) 134.79,137.31 U906.16 ; U109.94 v1(82.77,79.94)